# Allegro board RK_TABLET_DEMO1_RK3576_LP4XD200P132SD6_V12_20240530YWQ.brd (continued)
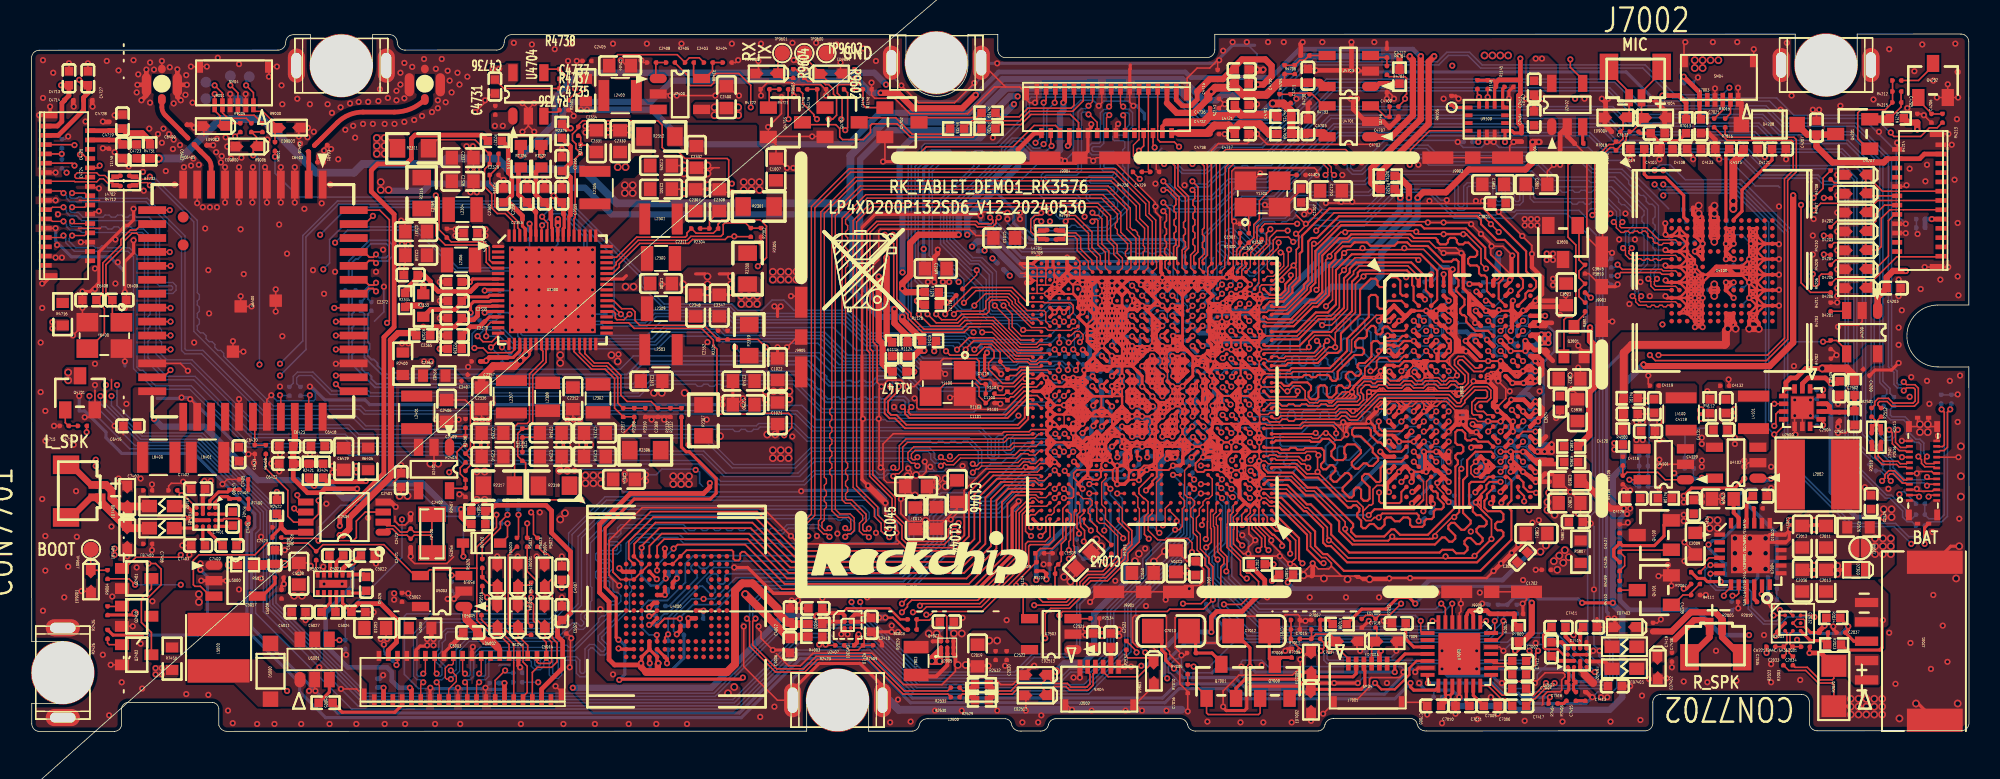
[diagram p0: board, top side]
## Copper pours and planes (outline as drawn; the poured copper is in the pictures) (continued)
VCC_2V0_PLDO_P on TOP: 35.94,43.41 35.94,43.26 35.23,42.54 35.23,41.83 36.05,41.83 36.35,41.53 36.35,40.16 36.45,40.06 37.26,40.06 37.26,42.09 37.67,42.49 37.67,43.56 36.1,43.56
VCC_2V0_PLDO_S3 on TOP: 36.05,41.07 35.23,41.07 35.18,41.02 35.18,40.06 35.28,39.95 36.05,39.95 36.15,40.06 36.15,40.97
VCC_2V0_PLDO_S3 on TOP: 24.36,25.27 23.8,25.27 23.55,25.02 23.55,24.15 24.36,24.15 24.51,24.31 24.51,25.12
VCC_2V0_PLDO_S3 on L4-SIG: 23.8,24.76 23.42,25.15 23.42,25.78 23.04,26.16 23.04,26.92 22.41,26.92 21.64,27.69 21.64,31.37 25.58,35.31 29.14,35.31 29.64,35.81 29.64,37.46 32.69,40.51 36.5,40.51 36.63,40.39 36.63,39.37 36.5,39.24 34.72,39.24 34.09,38.61 34.09,37.97 33.84,37.72 32.82,37.72 32.44,37.34 32.44,35.69 33.33,34.8 33.33,33.78 33.45,33.65 33.96,33.65 34.22,33.4 34.22,32.13 34.03,31.94 30.98,31.94 29.9,33.02 29.01,33.02 28.18,32.19 28.18,31.05 27.99,30.86 26.85,30.86 24.69,28.7 24.69,27.18 24.95,26.92 25.58,26.92 26.09,26.42 26.09,26.16 24.69,24.76
VCC_3V3_S0 on TOP: 98.22,39.65 97.67,39.65 97.46,39.45 96.65,39.45 96.65,38.07 96.85,37.87 97.97,37.87 98.38,38.28 98.38,39.5
VCC_3V3_S0 on TOP: 102.95,18.82 102.03,18.82 101.93,18.72 101.93,17.7 102.03,17.6 102.85,17.6 102.95,17.7
VCC_3V3_S0 on L3-POWER: 104.12,17.91 109.45,12.57 109.45,10.18 102.34,3.07 85.47,3.07 85.12,2.72 82.53,2.72 82.25,3 83.54,4.29 95.43,4.29 96.04,4.9 100.16,4.9 103.51,8.25 103.51,14.6 103.36,14.76 100.87,14.76 100.82,14.81 100.82,25.88 101.37,26.44 101.37,30.66 96.6,35.43 96.6,38.18 96.7,38.28 99.55,38.28 104.93,32.89 104.93,26.69 103.66,25.42 103.66,22.88 103.1,22.33 103.1,18.36 103.56,17.91
VCC_3V3_S0 on L4-SIG: 75.11,26.85 74.7,26.44 74.7,25.83 75.21,25.32 76.03,25.32 76.23,25.53 76.23,29.84 75.57,30.5 75.11,30.5
VCC_3V3_S3 on TOP: 29.39,17.04 28.58,17.04 28.48,16.94 28.48,14.86 28.63,14.71 29.59,14.71 29.7,14.81 29.7,16.74
VCC_3V3_S3 on TOP: 12.22,11.05 10.8,11.05 10.7,10.95 10.7,10.34 10.8,10.24 11.05,10.24 11.2,10.39 12.22,10.39 12.32,10.49 12.32,10.95
VCC_3V3_S3 on TOP: 20.86,17.35 22.02,17.35 22.13,17.25 22.13,16.59 22.08,16.53 20.86,16.53 20.75,16.64 20.75,17.25
VCC_3V3_S3 on TOP: 30.91,40.26 30.66,40 29.77,40 29.64,39.88 29.64,38.99 29.77,38.86 30.79,38.86 31.3,39.37 31.3,40.13 31.17,40.26
VCC_3V3_S3 on TOP: 23.5,9.12 23.09,9.12 22.99,9.02 22.99,8.2 23.8,7.39 25.53,7.39 25.68,7.54 25.68,8.36 24.26,8.36 24.06,8.56 23.8,8.56 23.6,8.76 23.6,9.02
VCC_3V3_S3 on TOP: 2.31,26.64 1.25,26.64 1.15,26.54 1.15,25.93 1.25,25.83 2.37,25.83 2.42,25.88 2.42,26.54
VCC_3V3_S3 on TOP: 97.82,43.66 96.95,43.66 96.65,43.36 96.65,41.73 97.31,41.73 97.77,41.27 98.43,41.27 98.43,43.05
VCC_3V3_S3 on TOP: 119.41,24.97 118.44,24.97 118.14,24.66 118.14,24.31 117.53,23.7 117.07,23.7 117.07,23.24 117.58,22.73 117.78,22.73 118.8,23.75 119.41,23.75 119.46,23.8 119.46,24.92
VCC_3V3_S3 on BOTTOM: 10.9,12.72 5.21,12.72 5.01,12.52 5.01,10.03 5.21,9.83 10.34,9.83 10.7,10.18 11,10.18 11.1,10.29 11.1,12.52
VCC_3V3_S3 on L2-GND: 97.56,43.66 95.99,43.66 95.79,43.46 95.79,42.54 94.52,41.27 80.95,41.27 80.04,40.36 72.37,40.36 70.64,38.63 54.74,38.63 54.69,38.58 44.33,38.58 43.77,39.14 39.55,39.14 37.11,36.7 31.3,36.7 30.66,37.34 30.66,39.24 30.53,39.37 29.77,39.37 29.64,39.24 29.64,37.08 30.7,36.03 40.86,36.03 41.99,37.16 69.98,37.16 70.44,36.7 71.81,36.7 74.09,38.99 95.18,38.99 97.77,41.58 97.77,43.46
VCC_3V3_S3 on L3-POWER: 1.15,26.54 1.15,23.19 4.7,19.63 4.7,11.25 4.91,11.05 6.89,11.05 6.99,11.15 6.99,22.58 2.82,26.75 1.35,26.75
VCC_3V3_S3 on L3-POWER: 29.75,19.23 29.75,14.81 29.39,14.45 25.78,14.45 24.26,15.98 15.78,15.98 15.47,15.67 15.47,14.91 16.34,14.05 20.15,14.05 23.6,10.59 23.6,8.41 23.5,8.31 22.18,8.31 20.25,10.24 10.8,10.24 10.54,10.49 10.54,20.45 12.12,22.02 19.69,22.02 24.06,26.39 24.06,35.28 25.48,36.7 38.79,36.7 38.89,36.6 38.89,35.74 38.84,35.69 37.98,35.69 36.6,34.31 28.78,34.31 27.56,33.1 27.56,21.41
VCC_3V3_S3_P on TOP: 31.93,20.95 30.05,20.95 29.85,20.75 29.85,15.42 30,15.26 31.68,15.26 31.68,16.48 31.02,16.48 31.02,19.94 31.12,20.04 31.73,20.04 31.93,20.24
VCC_5V0 on TOP: 60.58,6.37 60.58,5.21 61.5,5.21 61.7,5 64.9,5 64.95,5.05 64.95,5.56 63.83,5.56 62.87,6.53 60.73,6.53
VCC_5V0 on BOTTOM: 62.56,6.48 60.89,6.48 60.33,5.92 57.89,5.92 57.79,5.82 57.79,4.39 57.89,4.29 59.16,4.29 59.57,4.7 62.06,4.7 62.72,5.36 62.72,6.32
VCC_SPK_AMP on TOP: 10.9,15.32 10.85,15.26 10.85,14.76 11,14.6 11.05,14.6 11.2,14.76 11.2,14.96 11.81,15.57 11.81,16.33 11.71,16.43 11.1,16.43 10.9,16.23
VCC_SPK_AMP on TOP: 9.48,4.29 7.9,4.29 7.8,4.19 7.8,3.58 7.9,3.48 9.38,3.48 9.48,3.58
VCC_SPK_AMP on TOP: 100.82,3.38 101.88,3.38 101.98,3.28 101.98,1.96 101.17,1.96 101.07,2.06 101.07,2.41 99.8,3.68 99.8,3.94 100.26,3.94
VCC_SPK_AMP on BOTTOM: 10.54,14.15 11.76,15.37 11.76,16.33 10.34,17.75 4.04,17.75 3.94,17.65 3.94,15.52 5.31,14.15
VCC_SPK_AMP on L3-POWER: 60.53,1.8 62.46,1.8 62.56,1.7 75.01,1.7 75.26,1.45 94.97,1.45 95.02,1.4 101.83,1.4 101.88,1.45 101.88,2.77 101.73,2.92 85.58,2.92 85.22,2.56 65,2.56 65.2,2.36 61.09,2.36
VCC_SPK_AMP on L3-POWER: 8.11,5.05 6.84,5.05 6.84,4.04 8.16,2.72 9.73,2.72 9.73,3.43
VCC_SYSIN on TOP: 17.81,9.93 16.64,9.93 16.54,9.83 16.54,9.02 16.39,8.86 15.78,8.86 15.22,8.31 13.39,8.31 12.73,7.64 10.9,7.64 10.9,6.17 14.61,6.17 14.76,6.32 16.08,6.32 16.94,5.46 17.66,5.46 17.66,6.58 17.1,7.14 17.1,8.05 17.15,8.1 18.77,8.1 18.98,8.31 18.98,9.12 18.72,9.12 18.72,8.61 18.67,8.56 18.27,8.56 17.86,8.97 17.86,9.88
VCC_SYSIN on TOP: 33.86,25.42 33.86,23.14 33.96,23.04 34.17,23.04 34.47,22.73 34.47,21.82 35.39,21.82 35.39,23.04 34.42,24 34.42,25.42 34.22,25.42 34.22,24.61 34.06,24.61 34.06,25.42
VCC_SYSIN on TOP: 58.85,7.24 58.35,7.24 56.98,5.87 56.26,5.87 56.26,5.05 57.89,5.05 58.85,6.02
VCC_SYSIN on TOP: 119.21,13.59 118.14,13.59 118.09,13.54 118.09,9.98 119.41,9.98 120.22,10.79 120.22,12.57
VCC_SYSIN on TOP: 104.12,19.68 103.41,19.68 103.3,19.58 103.3,18.01 103.36,17.96 104.47,17.96 104.47,18.52 104.17,18.82 104.17,19.63
VCC_SYSIN on TOP: 9.83,5.1 8.46,5.1 8.36,5.21 8.36,8.25 9.22,9.12 10.9,9.12 11.05,8.97 11.05,7.95 10.9,7.8 9.99,7.8 9.93,7.75 9.93,5.21
VCC_SYSIN on TOP: 35.94,25.42 35.94,24.43 36.4,23.98 37.34,23.98 38.23,23.09 38.23,22.22 38.33,22.12 39.65,22.12 39.7,22.17 39.7,23.44 39.65,23.49 39.14,23.49 37.21,25.42 36.3,25.42 36.3,24.61 36.15,24.61 36.15,25.42
VCC_SYSIN on TOP: 45.29,40.66 42.85,40.66 42.7,40.51 42.7,39.85 42.95,39.6 45.75,39.6 45.85,39.7 45.85,40.11
VCC_SYSIN on TOP: 45.44,3.12 37.11,3.12 36.35,3.89 36.35,13.94 35.79,14.5 34.42,14.5 33.86,13.94 33.86,13.03 35.08,11.81 35.08,2.41 36.25,1.24 45.29,1.24 45.75,1.7 45.75,2.82
VCC_SYSIN on TOP: 23.7,16.08 24.62,16.08 24.67,16.13 25.28,16.13 25.28,15.01 25.23,14.96 23.6,14.96 23.5,15.06 23.5,15.87
VCC_SYSIN on TOP: 31.07,23.85 29.7,23.85 28.48,22.63 28.48,21.87 28.58,21.77 29.64,21.77 29.75,21.87 29.75,23.04 29.9,23.19 31.12,23.19 31.37,23.44 31.37,23.55
VCC_SYSIN on TOP: 36.71,28.98 38.84,28.98 39.3,29.44 40.26,29.44 40.31,29.39 40.31,28.47 39.55,28.47 39.5,28.42 36.71,28.42 36.71,28.63 37.52,28.63 37.52,28.78 36.71,28.78
VCC_SYSIN on TOP: 40.31,37.01 39.5,37.01 39.3,36.8 39.3,36.14 38.89,35.74 38.23,35.74 37.52,35.03 37.52,33.6 37.32,33.4 36.55,33.4 35.59,32.44 35.59,31.62 35.82,31.62 35.82,32.41 35.94,32.41 35.94,31.62 36.17,31.62 36.17,32.41 36.3,32.41 36.3,31.62 36.86,31.62 38.53,33.3 38.53,33.76 39.04,34.26 40.36,34.26 40.36,36.96
VCC_SYSIN on TOP: 29.39,32.64 28.63,32.64 28.48,32.49 28.48,31.88 28.53,31.83 29.34,31.83 29.75,31.42 29.75,31.27 29.8,31.22 30.46,31.22 30.51,31.27 30.51,31.52
VCC_SYSIN on TOP: 108.03,18.06 109.15,18.06 109.15,18.77 108.79,19.13 108.79,19.79 107.67,19.79 107.57,19.68 107.57,18.52
VCC_SYSIN on BOTTOM: 10.9,9.12 6.63,9.12 6.43,8.91 6.43,7.39 6.53,7.29 10.8,7.29 11.05,7.54 11.05,8.97
VCC_SYSIN on L2-GND: 58.35,6.73 56.92,6.73 54.79,8.86 48.34,8.86 47.12,10.08 45.14,10.08 43.26,8.2 43.26,2.16 45.34,2.16 45.6,2.41 45.6,7.34 46.05,7.8 46.97,7.8 47.68,7.09 47.68,6.22 48.64,5.26 54.33,5.26 54.94,4.65 57.69,4.65 58.7,5.66 58.7,6.37
VCC_SYSIN on L2-GND: 44.58,42.24 54.38,42.24 56.16,40.46 60.12,40.46 62.66,43 76.48,43 77.7,44.22 95.33,44.22 95.63,43.92 95.63,42.6 94.47,41.43 80.8,41.43 79.89,40.51 72.27,40.51 70.54,38.79 44.38,38.79 43.72,39.45 43.72,41.38
VCC_SYSIN on L3-POWER: 103.25,21.97 103.25,18.41 103.61,18.06 104.32,18.06 109.6,12.78 109.6,9.98 110.06,9.52 119.61,9.52 120.22,10.13 120.22,14.86 116.06,19.02 116.06,37.36 109.71,43.71 100.26,43.71 99.6,43.05 99.14,43.05 98.48,43.71 95.53,43.71 95.28,43.97 93.04,43.97 92.79,43.71 92.79,41.38 93.81,40.36 98.48,40.36 99.34,41.22 101.88,41.22 102.8,40.31 102.8,36.5 106.71,32.59 106.71,27.36 106.25,26.9 105.39,26.9 103.81,25.32 103.81,22.53
VCC_SYSIN on L3-POWER: 38.89,35.53 38.08,35.53 36.76,34.21 28.88,34.21 27.71,33.04 27.71,21.51 29.9,19.33 29.9,14.76 29.44,14.3 25.68,14.3 24.16,15.82 15.88,15.82 15.62,15.57 15.62,15.01 16.44,14.2 20.2,14.2 23.75,10.64 23.75,8.36 23.55,8.15 22.13,8.15 20.2,10.08 10.7,10.08 10.54,9.93 10.54,8.2 12.02,6.73 19.69,6.73 21.21,5.21 23.8,5.21 25.33,6.73 31.58,6.73 34.67,9.83 34.67,15.67 33.76,16.59 33.76,18.82 34.01,19.07 35.59,19.07 38.08,21.56 38.08,26.64 39.09,27.66 39.09,34.77 39.04,34.82 39.04,35.38
VCC_SYSIN on L5-GND: 108.49,44.22 105.74,44.22 105.49,44.47 87.1,44.47 86.85,44.22 77.75,44.22 76.48,42.95 62.77,42.95 60.07,40.26 55.35,40.26 54.13,41.48 36.76,41.48 35.99,40.72 30.66,40.72 27.1,37.16 27.1,30.76 30.56,27.3 30.56,24.26 31.22,23.6 38.08,23.6 39.96,25.48 39.96,30.71 41.99,32.74 58.7,32.74 62,36.04 64.39,36.04 67.08,38.73 67.08,40.16 67.85,40.92 71.2,40.92 73.23,38.89 78.97,38.89 82.68,42.6 102.54,42.6 103.91,41.22 108.84,41.22 109.3,41.68 109.3,43.41
VCC_SYSIN_P on TOP: 113.36,11.86 112.55,11.86 112.55,11.1 117.78,11.1 117.94,11.25 117.94,18.92 116.11,18.92 116.11,14.15 116.46,13.79 116.46,12.78 116.36,12.67 114.18,12.67
VCC_UFS1V2_S0_P on TOP: 109.05,22.58 108.18,22.58 107.93,22.33 107.93,21.31 108.08,21.16 110.01,21.16 110.11,21.26 112.09,21.26 112.14,21.31 112.14,21.97 112.09,22.02 109.25,22.02 109.15,22.12 109.15,22.48
VCC_UFS_S0 on TOP: 102.95,19.13 102.03,19.13 101.98,19.18 101.98,25.17 102.59,25.78 108.94,25.78 109.15,25.98 110.21,25.98 110.21,25.12 109.76,24.66 103.3,24.66 103.05,24.41 103.05,19.23
VCC_UFS_S0 on BOTTOM: 109.91,31.72 109.25,31.72 109.15,31.62 109.15,25.93 109.35,25.73 110.11,25.73 110.21,25.83 110.21,26.49 110.06,26.64 110.06,31.57
VCC_UFS_S0 on L4-SIG: 109.91,34.52 109.3,34.52 108.99,34.21 108.99,27.96 109.15,27.81 109.96,27.81 110.01,27.86 110.01,32.49 110.62,33.1 110.62,33.81
VCCA_1V8_S0 on L4-SIG: 73.89,26.64 73.89,26.34 74.15,26.09 74.5,26.09 74.55,26.14 74.55,26.54 74.96,26.95 74.96,30.2 74.35,30.81 73.79,30.81 74.2,30.4 74.2,28.78 74.3,28.68 74.3,27.05
VCCIO_1V8_S0 on TOP: 51.95,7.95 50.73,7.95 50.73,6.63 51.74,6.63 52.15,7.04 52.15,7.75
VDD1_1V8_DDR_S3 on TOP: 98.12,19.28 98.12,18.87 97.56,18.31 97.56,18.06 98.53,17.09 99.19,17.09 99.19,18.72 100.16,19.68 100.16,20.34 100.05,20.45 99.29,20.45
VDD1_1V8_DDR_S3 on L3-POWER: 91.21,17.95 93.18,17.95 93.4,18.16 93.4,19.43 93.82,19.85 97.8,19.85 98.61,19.05 98.61,14.6 97.84,13.84 95.56,13.84 95.18,14.22 95.18,14.73 94.92,14.99 94.54,14.99 94.41,15.11 93.91,15.11 93.65,14.86 93.65,14.48 92.64,13.46 91.49,13.46 90.86,14.1 90.86,14.73 90.6,14.99 88.95,14.99 87.68,16.26 87.56,16.26 87.18,16.64 87.18,18.92 87.43,19.18 88.45,19.18 88.95,18.67 89.21,18.67 89.72,19.18 89.97,19.18 90.12,19.33 90.12,19.46 90.35,19.68 90.73,19.68 90.86,19.56 90.86,19.05 91.11,18.8 91.11,18.04
VDD1_1V8_DDR_S3 on L3-POWER: 91.08,25.15 91.08,24.42 91.33,24.17 92.3,24.17 93.4,25.27 93.4,26.54 95.05,28.19 97.72,28.19 98.1,27.81 98.1,25.02 97.46,24.38 96.88,24.38 96.66,24.17 96.66,23.08 96.45,22.86 95.43,22.86 94.67,22.1 90.22,22.1 89.56,22.77 89.56,23.4 88.83,24.13 88.83,24.38 88.7,24.51 88.7,24.76 88.45,25.02 87.43,25.02 87.3,25.15 87.3,25.73 87.48,25.91 87.94,25.91 88.19,26.16 88.19,26.29 88.32,26.42 90.35,26.42 90.84,25.92 90.84,25.38
VDD1_1V8_DDR_S3 on L4-SIG: 97.01,17.86 96.92,17.95 96.92,18.33 97.05,18.45 97.18,18.45 97.3,18.58 97.3,19.05 97.97,19.72 97.97,24 96.95,25.02 96.95,25.78 97.08,25.91 98.99,25.91 99.62,25.27 99.62,18.14 99.35,17.86
VDD2_DDR_S3 on TOP: 99.24,31.06 97.67,31.06 97.56,30.96 97.56,30.1 97.77,29.9 97.77,28.83 98.07,28.52 99.44,28.52 99.44,30.86
VDD2_DDR_S3 on TOP: 97.46,23.49 97.46,23.04 97.26,22.83 97.26,22.68 97.67,22.28 97.67,21.87 97.21,21.41 97.21,21.06 97.51,20.75 97.51,20.5 97.62,20.5 98.22,21.11 98.22,21.26 98.33,21.36 98.94,21.36 98.94,23.19 98.89,23.24 97.92,23.24 97.56,23.6
VDD2_DDR_S3 on TOP: 96.95,12.06 96.6,12.06 96.09,11.56 96.5,11.15 96.7,11.35 97.41,11.35 98.22,12.17 98.22,13.23 97.26,13.23 97.06,13.03 97.06,12.17
VDD2_DDR_S3 on TOP: 23.9,38.58 22.18,38.58 22.02,38.43 22.02,37.16 22.13,37.06 24.11,37.06 24.11,38.38
VDD2_DDR_S3 on BOTTOM: 95.41,21.19 95.27,21.34 95.27,22.52 95.65,22.9 97.05,22.9 97.18,22.77 97.18,22.48 96.95,22.26 96.95,21.81 97.18,21.59 97.18,21.34 97.03,21.19
VDD2_DDR_S3 on BOTTOM: 92.6,25.44 91.33,25.44 91.21,25.31 91.21,24.55 91.33,24.42 91.59,24.42 91.71,24.55 92.22,24.55 92.73,25.06 92.73,25.31
VDD2_DDR_S3 on BOTTOM: 91.5,19.69 91.71,19.47 91.71,19.22 91.59,19.09 91.33,19.09 91.21,19.22 90.95,19.22 90.83,19.09 90.83,19.05 90.35,19.05 90.35,18.67 90.48,18.54 91.25,18.54 91.59,18.2 92.72,18.2 92.76,18.16 93.27,18.16 93.53,18.41 93.53,18.54 93.14,18.92 93.14,19.94 93.02,20.07 92.89,20.07 92.51,19.68 92.26,19.68 91.62,20.32 91.37,20.32 91.24,20.19 91.24,19.94 91.49,19.69
VDD2_DDR_S3 on L3-POWER: 100.66,27.05 100.66,14.2 97.82,11.35 85.22,11.35 85.02,11.56 85.02,14.74 83.71,16.04 83.71,19.72 83.77,19.78 83.77,23.72 84.41,24.36 84.41,33.86 80.29,37.97 71.86,37.97 70.54,36.65 52.76,36.65 49.1,40.31 42.55,40.31 39.09,36.85 22.08,36.85 22.02,36.91 22.02,38.43 22.84,39.24 25.71,39.24 28.48,42.01 28.5,42.01 28.78,42.29 35.74,42.29 37.39,43.94 52.76,43.94 54.74,41.96 54.74,41.48 56.26,39.95 61.45,39.95 63.91,42.42 86.41,42.42 94.06,34.77 96.24,34.77 100.76,30.25 100.76,27.15
VDD2_DDR_S3_P on TOP: 25.25,38.28 26.09,38.28 26.27,38.1 27.31,38.1 27.82,37.59 27.82,34.98 27.31,34.47 27.31,32.89 26.5,32.89 26.5,34.72 26.19,35.03 26.19,35.05 25.96,35.28 25.96,36.32 25.83,36.45 25.2,36.45 24.95,36.7 24.95,37.97
VDD_0V75_S3 on L5-GND: 74.96,25.12 75.11,24.97 75.11,23.6 73.64,22.12 71.05,22.12 69.52,23.65 69.52,25.02 69.62,25.12 70.23,25.12 71.2,24.15 73.84,24.15 74.81,25.12
VDD_CPU_BIG_S0 on TOP: 49.76,35.79 49.76,29.13 49.56,28.93 47.68,28.93 47.58,29.03 47.58,32.74 47.37,32.94 47.37,34.47 47.42,34.52 47.42,35.84 47.58,35.99 49.56,35.99
VDD_CPU_BIG_S0 on TOP: 58.6,28.93 58.7,28.83 59.31,28.83 59.41,28.93 59.41,29.13 59.52,29.23 59.52,30.3 59.36,30.45 58.7,30.45 58.6,30.35
VDD_CPU_BIG_S0 on BOTTOM: 72.51,24.31 72.44,24.38 72.44,24.43 72.42,24.46 72.22,24.46 72.11,24.36 72.11,24.15 71.96,24 71.25,24 71.15,23.9 71.81,23.24 71.81,22.61 72.44,21.97 72.45,21.97 72.57,21.85 72.57,21.84 72.82,21.59 72.82,21.51 73.1,21.23 73.33,21.23 73.43,21.34 73.43,22 73.02,22.41 73.02,23.04 72.51,23.55
VDD_CPU_BIG_S0 on L3-POWER: 72.11,28.88 72.11,24.86 72.19,24.64 72.44,24.38 72.44,24 73.21,23.24 73.21,22.86 73.46,22.61 73.46,21.39 73.43,21.36 73.43,21.21 73.28,21.06 72.82,21.06 72.57,21.31 72.27,21.31 71.94,21.64 71.94,21.97 71.43,22.48 68.38,22.48 68.13,22.73 65.46,22.73 64.19,24 61.14,24 61.01,24.13 47.81,24.13 47.42,24.51 47.42,29.64 47.78,30 71,30
VDD_CPU_BIG_S0_P on TOP: 46.31,34.52 45.44,34.52 45.29,34.37 41.38,34.37 41.28,34.26 41.28,32.23 41.38,32.13 41.94,32.13 41.99,32.18 41.99,32.74 42.5,33.25 46.36,33.25 46.41,33.3 46.41,34.42
VDD_CPU_LIT_S0 on TOP: 63.93,33.63 63.6,33.63 63.5,33.53 63.5,33.1 63.02,32.61 63.02,31.47 63.07,31.42 63.99,31.42 64.14,31.57 64.14,33.43
VDD_CPU_LIT_S0 on TOP: 41.18,39.19 46.71,39.19 46.82,39.09 46.82,37.87 47.27,37.41 47.27,34.82 47.17,34.72 45.8,34.72 45.49,35.03 45.49,35.58 45.19,35.89 45.19,36.96 44.99,37.16 42.4,37.16 41.79,37.77 41.07,37.77 40.97,37.87 40.97,38.99
VDD_CPU_LIT_S0 on BOTTOM: 73.97,24.26 73.46,24.77 73.21,24.77 73.08,24.64 73.08,24.51 73.33,24.26 73.33,23.62 73.46,23.5 73.46,22.86 73.59,22.74 73.71,22.74 73.97,22.99 73.97,22.98 74.4,23.42 74.4,23.9 74.6,24.1 74.6,24.77 74.48,24.77
VDD_CPU_LIT_S0 on L3-POWER: 73.64,22.73 73.59,22.73 73.33,22.99 73.33,23.75 73.21,23.88 72.82,23.88 72.57,24.13 72.57,24.64 72.42,24.79 72.42,29.08 71.15,30.35 46.03,30.35 45.9,30.48 45.9,32.26 45.88,32.26 45.49,32.64 45.49,35.38 45.85,35.74 47.3,35.74 49.13,33.91 70.41,33.91 71.53,32.79 71.55,32.79 71.97,32.37 73.7,32.37 75.52,30.56 75.52,26.39 75.31,26.19 75.01,26.19 74.48,25.65 74.48,24.26 74.45,24.23 74.45,23.55
VDD_CPU_LIT_S0_P on TOP: 35.33,36.75 35.33,35.84 37.37,35.84 37.37,36.6 37.62,36.85 38.64,36.85 38.94,37.16 39.91,37.16 40.06,37.31 40.06,39.04 38.99,39.04 38.99,38.38 38.79,38.18 36.35,38.18 35.74,37.57 35.74,37.16
VDD_DDR_S0 on TOP: 34.27,16.43 35.28,16.43 35.69,16.84 37.82,16.84 37.93,16.74 37.93,15.16 37.42,14.66 36.25,14.66 35.59,15.32 34.22,15.32 34.22,16.38
VDD_DDR_S0 on TOP: 82.02,33.2 82.38,33.2 82.93,33.76 82.93,34.26 83.14,34.47 83.49,34.47 83.49,35.38 82.63,35.38 82.32,35.08 82.32,34.57 82.22,34.47 81.97,34.47 81.66,34.16 81.66,33.55
VDD_DDR_S0 on BOTTOM: 74.76,21.46 74.76,20.29 74.86,20.19 75.1,20.19 75.24,20.32 75.24,22.35 75.24,22.4 75.26,22.43 75.26,23.34 75.21,23.39 75.06,23.39 74.86,23.19 74.86,21.46
VDD_DDR_S0 on L3-POWER: 84.25,33.81 84.25,24.46 82.78,22.99 77.9,22.99 77.78,23.11 75.49,23.11 75.24,22.86 75.24,20.32 75.11,20.19 74.35,20.19 73.97,20.57 73.97,20.58 73.71,20.83 73.71,22.48 73.97,22.74 73.97,22.86 74.6,23.49 74.6,25.65 74.86,25.91 75.64,25.91 76.03,26.29 76.03,30.86 73.74,33.15 72.24,33.15 70.84,34.54 49.53,34.54 47.73,36.35 45.55,36.35 45.09,35.89 44.88,35.89 44.58,35.58 44.58,30.68 44.38,30.48 43.16,30.48 42.65,29.97 42.65,17.75 42.14,17.25 41.28,17.25 39.3,15.26 35.74,15.26 35.49,15.52 35.49,17.4 36.45,18.36 36.45,19.74 38.23,21.51 38.23,26.29 39.45,27.51 39.45,36.65 42.95,40.16 49,40.16 52.66,36.5 70.59,36.5 71.91,37.82 80.24,37.82
VDD_DDR_S0_P on TOP: 32.49,21.11 32.49,19.79 32.39,19.68 32.39,16.89 32.18,16.69 32.18,15.26 32.24,15.21 33.61,15.21 33.66,15.26 33.66,19.74 34.12,20.19 34.12,21.11
VDD_GPU_S0 on TOP: 45.6,29.39 45.55,29.34 45.55,27.51 45.7,27.36 46.97,27.36 47.17,27.56 47.17,29.13 46.92,29.39
VDD_GPU_S0 on TOP: 70.64,9.78 71.61,9.78 71.81,9.98 71.81,11.1 72.16,11.45 72.16,11.91 72.01,12.06 71.55,12.06 71.25,11.76 71.2,11.76 70.89,11.45 70.89,11 70.59,10.69 70.59,9.83
VDD_GPU_S0 on TOP: 68.56,12.67 68.86,12.67 69.32,12.22 69.32,11.71 68.56,10.95 68.3,10.95 67.74,11.51 67.74,11.71 68.3,12.27 68.3,12.42
VDD_GPU_S0 on BOTTOM: 74.04,19.23 74.04,20.25 73.78,20.5 73.53,20.5 73.4,20.38 73.4,19.99 73.28,19.87 73.02,19.87 72.9,19.74 72.9,19.61 73.02,19.49 73.02,19.23 72.77,18.98 73.18,18.57 73.37,18.57
VDD_GPU_S0 on L3-POWER: 75.36,19.81 75.11,20.07 74.22,20.07 73.97,20.32 73.97,20.45 73.56,20.85 73.33,20.85 72.44,19.96 72.44,18.8 72.51,18.73 72.51,18.61 72.7,18.41 72.7,14.99 71.43,13.72 60.2,13.72 59.31,14.6 56.47,14.6 56.16,14.91 49.56,14.91 47.27,17.2 47.27,20.5 47.02,20.75 47.02,25.07 47.27,25.32 47.27,28.32 47.22,28.37 45.55,28.37 45.19,28.02 43.61,28.02 43.41,27.81 43.41,15.72 47.98,11.15 48.03,11.15 48.19,11 57.84,11 58.3,10.54 73.13,10.54 73.15,10.57 74.17,10.57 76.28,12.67 76.28,17.25 76,17.53 76,18.67 75.36,19.3
VDD_GPU_S0_P on TOP: 41.23,31.32 42.5,31.32 42.75,31.57 46.56,31.57 46.76,31.37 46.76,30.4 45.39,30.4 45.09,30.1 42.29,30.1 41.94,29.74 41.13,29.74 41.13,31.22
VDD_LOGIC_S0 on TOP: 45.7,24.51 45.7,23.65 45.85,23.49 45.85,22.17 46.26,21.77 46.26,20.75 48.69,20.75 49.15,21.21 49.15,22.78 48.8,23.14 47.73,23.14 47.53,23.34 47.53,24.05 46.87,24.71 45.9,24.71
VDD_LOGIC_S0 on BOTTOM: 72.01,20.55 71.33,20.55 71.12,20.76 70.74,20.76 70.59,20.9 70.59,22.02 70.69,22.12 70.69,23.04 70.59,23.14 70.59,23.34 70.64,23.39 70.84,23.39 71.15,23.09 71.15,22.44 71.14,22.43 71.86,21.72 71.86,21.64 71.76,21.54 71.76,21.21 72.07,20.9 72.07,20.61
VDD_LOGIC_S0 on L3-POWER: 69.9,19.94 69.18,19.21 68.8,19.21 68.35,18.77 62,18.77 61.04,19.74 47.73,19.74 47.63,19.84 47.63,20.45 47.17,20.9 47.17,23.49 47.42,23.75 60.76,23.75 60.89,23.62 63.81,23.62 65.05,22.38 68.86,22.38 69.01,22.22 71.43,22.22 71.77,21.88 71.77,21.5 72.11,21.16 72.47,21.16 72.72,20.9 72.72,20.55 72.27,20.09 72.27,19.99 72.22,19.94
VDD_LOGIC_S0_P on TOP: 41.23,28.12 42.04,28.12 42.14,28.02 42.14,27.66 42.19,27.61 45.19,27.61 45.6,27.2 46.76,27.2 46.92,27.05 46.92,25.78 46.79,25.65 44.38,25.65 43.59,26.44 41.18,26.44 41.13,26.49 41.13,28.02
VDD_NPU_S0 on TOP: 59.97,15.82 59.92,15.77 59.46,15.77 58.85,15.16 58.85,14.25 58.7,14.1 56.72,14.1 56.62,14.2 56.62,14.76 56.72,14.86 57.23,14.86 57.38,15.01 57.38,16.08 57.94,16.64 60.02,16.64 60.12,16.53 60.12,15.93 60.02,15.82
VDD_NPU_S0 on TOP: 43.97,19.58 42.75,19.58 42.75,17.91 44.02,16.64 48.9,16.64 49.1,16.84 49.1,18.57 48.95,18.72 44.17,18.72 44.02,18.87 44.02,19.53
VDD_NPU_S0 on BOTTOM: 71.74,18.85 71.75,18.85 71.88,18.98 71.88,19.11 71.75,19.23 71.75,19.74 71.68,19.81 70.16,19.81 70.16,19.3 70.54,19.3 70.67,19.18 70.67,18.54 70.79,18.41 71.3,18.41
VDD_NPU_S0 on L3-POWER: 56.11,15.26 49.71,15.26 47.58,17.4 47.58,18.41 47.73,18.57 49,18.57 50.02,19.58 60.99,19.58 61.9,18.67 68.51,18.67 68.93,19.09 69.31,19.09 70.03,19.81 71.81,19.81 71.81,19.81 72.06,19.81 72.06,19.81 72.32,19.56 72.32,18.8 72.57,18.54 72.57,17.66 72.57,17.65 72.57,15.11 71.3,13.84 60.38,13.84 59.46,14.76 56.62,14.76
VDD_NPU_S0_P on TOP: 41.28,25.68 42.09,25.68 42.14,25.63 42.14,24.92 42.19,24.87 43.56,24.87 44.02,24.41 44.02,20.65 43.92,20.55 42.6,20.55 42.55,20.6 42.55,22.07 41.28,23.34
VDDA_0V75_S0 on L4-SIG: 71.61,26.75 71.61,28.78 70.79,29.59 69.98,29.59 69.98,25.91 70.36,25.53 70.69,25.53 71.1,25.12 71.1,24.71 68.81,22.43 68.81,21.74 69.09,21.46 70.18,21.46 72.37,23.65 72.37,25.37 72.06,25.68 72.06,26.39 71.91,26.54 71.81,26.54
VDDA_0V85_S0 on L4-SIG: 70.28,21.31 69.62,21.31 69.52,21.21 69.52,20.4 70.08,19.84 71.91,19.84 74.09,22.02 74.09,25.83 73.64,26.29 72.93,26.29 72.42,26.8 72.42,29.64 71.81,30.25 70.79,30.25 70.79,30.2 71.76,29.23 71.76,26.9 71.81,26.9 72.22,26.49 72.22,25.73 72.52,25.42 72.52,23.55
VDDA_1V2_S0 on L5-GND: 70.79,24.82 71.3,24.31 73.79,24.31 74.76,25.27 75.01,25.27 75.16,25.42 75.16,25.68 74.83,26.01 71.38,26.01 70.79,25.42
VDDA_DDR_PLL_S0 on L4-SIG: 71.81,17.91 71.81,14.91 72.32,14.4 72.77,14.4 73.03,14.66 73.03,17.6 73.33,17.91 74.35,17.91 74.7,18.26 74.7,19.07 75.21,19.58 75.21,19.79 74.68,20.32 73.59,20.32 72.44,19.18 72.44,18.54
VDDQ_DDR_CKE_S3 on L5-GND: 75.87,19.43 75.01,19.43 74.76,19.18 74.76,18.26 75.36,17.65 76.13,17.65 76.13,19.18
VDDQ_DDR_S0 on TOP: 98.83,11.96 97.87,11 97.87,10.34 98.12,10.08 100,10.08 100.36,10.44 100.36,11.2 100.31,11.25 99.8,11.25 99.09,11.96
VDDQ_DDR_S0 on TOP: 73.49,9.73 75.31,9.73 75.42,9.83 75.42,10.39 75.31,10.49 75.01,10.49 74.76,10.74 73.49,10.74 73.38,10.64 73.38,9.83
VDDQ_DDR_S0 on TOP: 40.06,18.77 41.18,18.77 42.95,16.99 42.95,15.82 42.9,15.77 40.87,15.77 40.57,16.08 40.57,16.74 40.06,17.25
VDDQ_DDR_S0 on BOTTOM: 75.42,23.16 75.42,22.17 75.49,22.1 75.49,21.72 75.36,21.59 75.36,20.2 75.37,20.19 75.49,20.19 75.62,20.07 75.75,20.07 76.13,19.68 76.25,19.68 76.38,19.81 76.38,19.94 76.25,20.07 76.13,20.07 75.87,20.32 75.87,20.45 76,20.58 76,20.83 75.87,20.96 75.87,21.21 76,21.34 76,21.84 75.87,21.97 75.87,22.74 75.75,22.86 75.75,23.12 75.87,23.24 76.25,23.24 76.38,23.11 76.51,23.11 76.63,23.24 76.63,23.49 76.51,23.62 76.13,23.62 76,23.49 75.75,23.49
VDDQ_DDR_S0 on L3-POWER: 75.36,20.19 75.36,22.73 75.49,22.86 83.37,22.86 83.59,22.64 83.59,15.91 84.86,14.64 84.86,11.45 85.12,11.2 97.97,11.2 98.73,11.96 99.85,11.96 100.36,11.45 100.36,9.12 98.78,7.54 80.85,7.54 79.89,6.58 56.57,6.58 55.35,7.8 40.36,7.8 39.25,8.91 39.25,14.45 41.13,16.33 41.13,16.53 41.38,16.79 42.9,16.79 43.01,16.69 43.01,15.52 47.93,10.59 57.43,10.59 57.84,10.18 74.15,10.18 76.38,12.42 76.38,18.54 76,18.92 76,19.56
VDDQ_DDR_S0_P on TOP: 35.74,21.01 35.74,20.09 35.79,20.04 36.1,20.04 36.45,19.68 36.45,17.5 36.66,17.3 38.99,17.3 39.09,17.4 39.09,18.77 37.37,20.5 37.37,21.01
VDDQ_DRAM_S0 on TOP: 96.6,32.13 94.87,33.86 94.87,35.84 96.8,35.84 96.85,35.79 96.85,34.72 97.11,34.47 98.83,34.47 98.89,34.42 98.89,32.18 98.83,32.13
VDDQ_DRAM_S0 on TOP: 98.94,15.21 98.83,15.21 98.53,15.52 97.77,15.52 97.72,15.47 97.72,15.11 97.56,14.96 97.56,14.2 98.43,13.33 98.43,12.27 98.58,12.12 99.14,12.12 99.34,11.91 100.31,11.91 100.41,12.01 100.41,12.98 100.31,13.08 99.6,13.08 99.44,13.23 99.44,13.74 98.94,14.25
VDDQ_DRAM_S0 on BOTTOM: 94.29,10.79 90.99,10.79 90.73,11.05 88.19,11.05 88.06,11.18 88.06,13.08 86.41,14.73 86.41,16.13 87.3,17.02 87.68,17.02 87.81,16.89 87.81,16.76 87.68,16.64 87.68,16.26 88.19,15.75 88.7,15.75 88.7,15.75 89.2,15.75 89.3,15.66 90.06,15.66 90.19,15.79 90.19,17.05 89.97,17.27 89.97,18.16 89.64,18.49 89.64,18.77 89.79,18.92 89.84,18.92 90.48,18.29 91.11,18.29 91.24,18.16 91.24,17.28 91.88,16.64 92.76,16.64 93.02,16.89 93.4,16.89 93.65,16.64 94.03,17.02 94.03,17.22 94.13,17.31 94.13,18.45 94.25,18.58 94.76,18.58 95.4,19.22 96.41,19.22 96.7,18.92 96.7,18.29 97.08,17.91 97.21,17.91 97.46,17.65 98.22,17.65 98.48,17.91 98.48,18.52 97.92,19.07 97.92,23.85 98.48,24.41 98.48,25.91 97.84,26.54 97.08,26.54 96.83,26.29 96.83,25.4 96.32,25.4 96.07,25.15 96.07,24.76 94.29,24.76 94.16,24.89 94.16,25.66 93.76,26.06 91.39,26.06 91.24,25.91 91.24,25.65 90.86,25.27 89.72,25.27 89.55,25.44 89.42,25.44 89.21,25.65 89.08,25.65 88.95,25.78 87.94,25.78 87.42,26.3 87.42,27.55 87.94,28.07 89.21,28.07 89.84,28.7 93.98,28.7 94.01,28.73 95.08,28.73 96.19,29.84 96.19,31.62 96.45,31.88 96.45,32.18 96.04,32.59 96.04,33.25 96.09,33.3 98.73,33.3 100.38,31.65 100.38,15.62 97.46,12.7 96.19,12.7
(no net) on TOP: 0.52,0.25 0.34,0.33 0.27,0.5 0.27,1.55 2.01,1.55 4.27,3.8 2.01,6.05 0.27,6.05 0.25,43.5 0.33,43.67 0.5,43.75 15.9,43.75 16.43,43.97 16.73,44.68 16.9,44.75 17.75,44.75 17.75,43.01 20,40.75 22.25,43.01 22.25,44.75 23.1,44.75 23.27,44.68 23.57,43.97 24.1,43.75 30,43.76 30.53,43.98 30.83,44.68 31,44.76 56.17,44.77 56.17,43.02 58.42,40.77 60.67,43.02 60.67,44.77 62.1,44.77 62.1,44.02 62.32,43.49 62.85,43.27 75.85,43.27 76.38,43.49 76.6,44.03 76.6,44.77 113.55,44.79 113.55,43.04 115.8,40.79 118.05,43.04 118.05,44.79 124.5,44.79 124.67,44.72 124.75,44.54 124.75,27.8 123.01,27.8 120.75,25.54 123.01,23.29 124.75,23.29 124.76,0.54 124.69,0.37 124.52,0.3 115.22,0.29 115.04,0.37 114.97,0.54 114.97,1.89 114.75,2.42 114.21,2.64 105.11,2.64 104.58,2.42 104.36,1.89 104.36,0.54 104.29,0.36 104.12,0.29 90,0.29 89.99,0.28 89.79,0.33 89.66,0.49 89.45,0.9 89.03,1.09 84.02,1.08 83.5,0.93 83.21,0.48 83.14,0.34 83.01,0.28 75.09,0.28 74.93,0.34 74.58,0.91 74.11,1.08 66.1,1.08 65.63,0.91 65.28,0.33 65.13,0.28 63.83,0.28 63.82,0.28 63.62,0.32 63.49,0.48 63.28,0.89 62.85,1.08 57.85,1.07 57.33,0.92 57.03,0.47 56.97,0.33 56.83,0.27 54.27,0.27 54.27,2.02 52.01,4.27 49.76,2.02 49.76,0.27 12.67,0.26 12.66,0.26 12.47,0.3 12.34,0.45 12.34,1.49 12.13,1.93 11.69,2.13 6.2,2.13 6.18,2.12 5.75,1.92 5.55,1.48 5.55,0.42 5.48,0.31 5.36,0.26 ; 37 cut-outs
(no net) on L4-SIG: 0.52,0.25 0.34,0.33 0.27,0.5 0.27,1.55 2.01,1.55 4.27,3.8 2.01,6.05 0.27,6.05 0.25,43.5 0.33,43.67 0.5,43.75 15.9,43.75 16.43,43.97 16.73,44.68 16.9,44.75 17.75,44.75 17.75,43.01 20,40.75 22.25,43.01 22.25,44.75 23.1,44.75 23.27,44.68 23.57,43.97 24.1,43.75 30,43.76 30.53,43.98 30.83,44.68 31,44.76 56.17,44.77 56.17,43.02 58.42,40.77 60.67,43.02 60.67,44.77 62.1,44.77 62.1,44.02 62.32,43.49 62.85,43.27 75.85,43.27 76.38,43.49 76.6,44.03 76.6,44.77 113.55,44.79 113.55,43.04 115.8,40.79 118.05,43.04 118.05,44.79 124.5,44.79 124.67,44.72 124.75,44.54 124.75,27.8 123.01,27.8 120.75,25.54 123.01,23.29 124.75,23.29 124.76,0.54 124.69,0.37 124.52,0.3 115.22,0.29 115.04,0.37 114.97,0.54 114.97,1.89 114.75,2.42 114.21,2.64 105.11,2.64 104.58,2.42 104.36,1.89 104.36,0.54 104.29,0.36 104.12,0.29 90,0.29 89.99,0.28 89.79,0.33 89.66,0.49 89.45,0.9 89.03,1.09 84.02,1.08 83.5,0.93 83.21,0.48 83.14,0.34 83.01,0.28 75.09,0.28 74.93,0.34 74.58,0.91 74.11,1.08 66.1,1.08 65.63,0.91 65.28,0.33 65.13,0.28 63.83,0.28 63.82,0.28 63.62,0.32 63.49,0.48 63.28,0.89 62.85,1.08 57.85,1.07 57.33,0.92 57.03,0.47 56.97,0.33 56.83,0.27 54.27,0.27 54.27,2.02 52.01,4.27 49.76,2.02 49.76,0.27 12.67,0.26 12.66,0.26 12.47,0.3 12.34,0.45 12.34,1.49 12.13,1.93 11.69,2.13 6.2,2.13 6.18,2.12 5.75,1.92 5.55,1.48 5.55,0.42 5.48,0.31 5.36,0.26 ; 41 cut-outs
AUD_SPK1N on TOP: 6.02,13.74 8,13.74 8.11,13.64 8.11,12.72 8.05,12.67 7.6,12.67 7.39,12.47 7.39,12.06 7.29,11.96 6.89,11.96 6.63,12.22 6.63,12.78 6.53,12.88 6.07,12.88 5.82,13.13 5.82,13.54
